# Altium PCB higgs.PcbDoc (part 3 of 25) (continued)
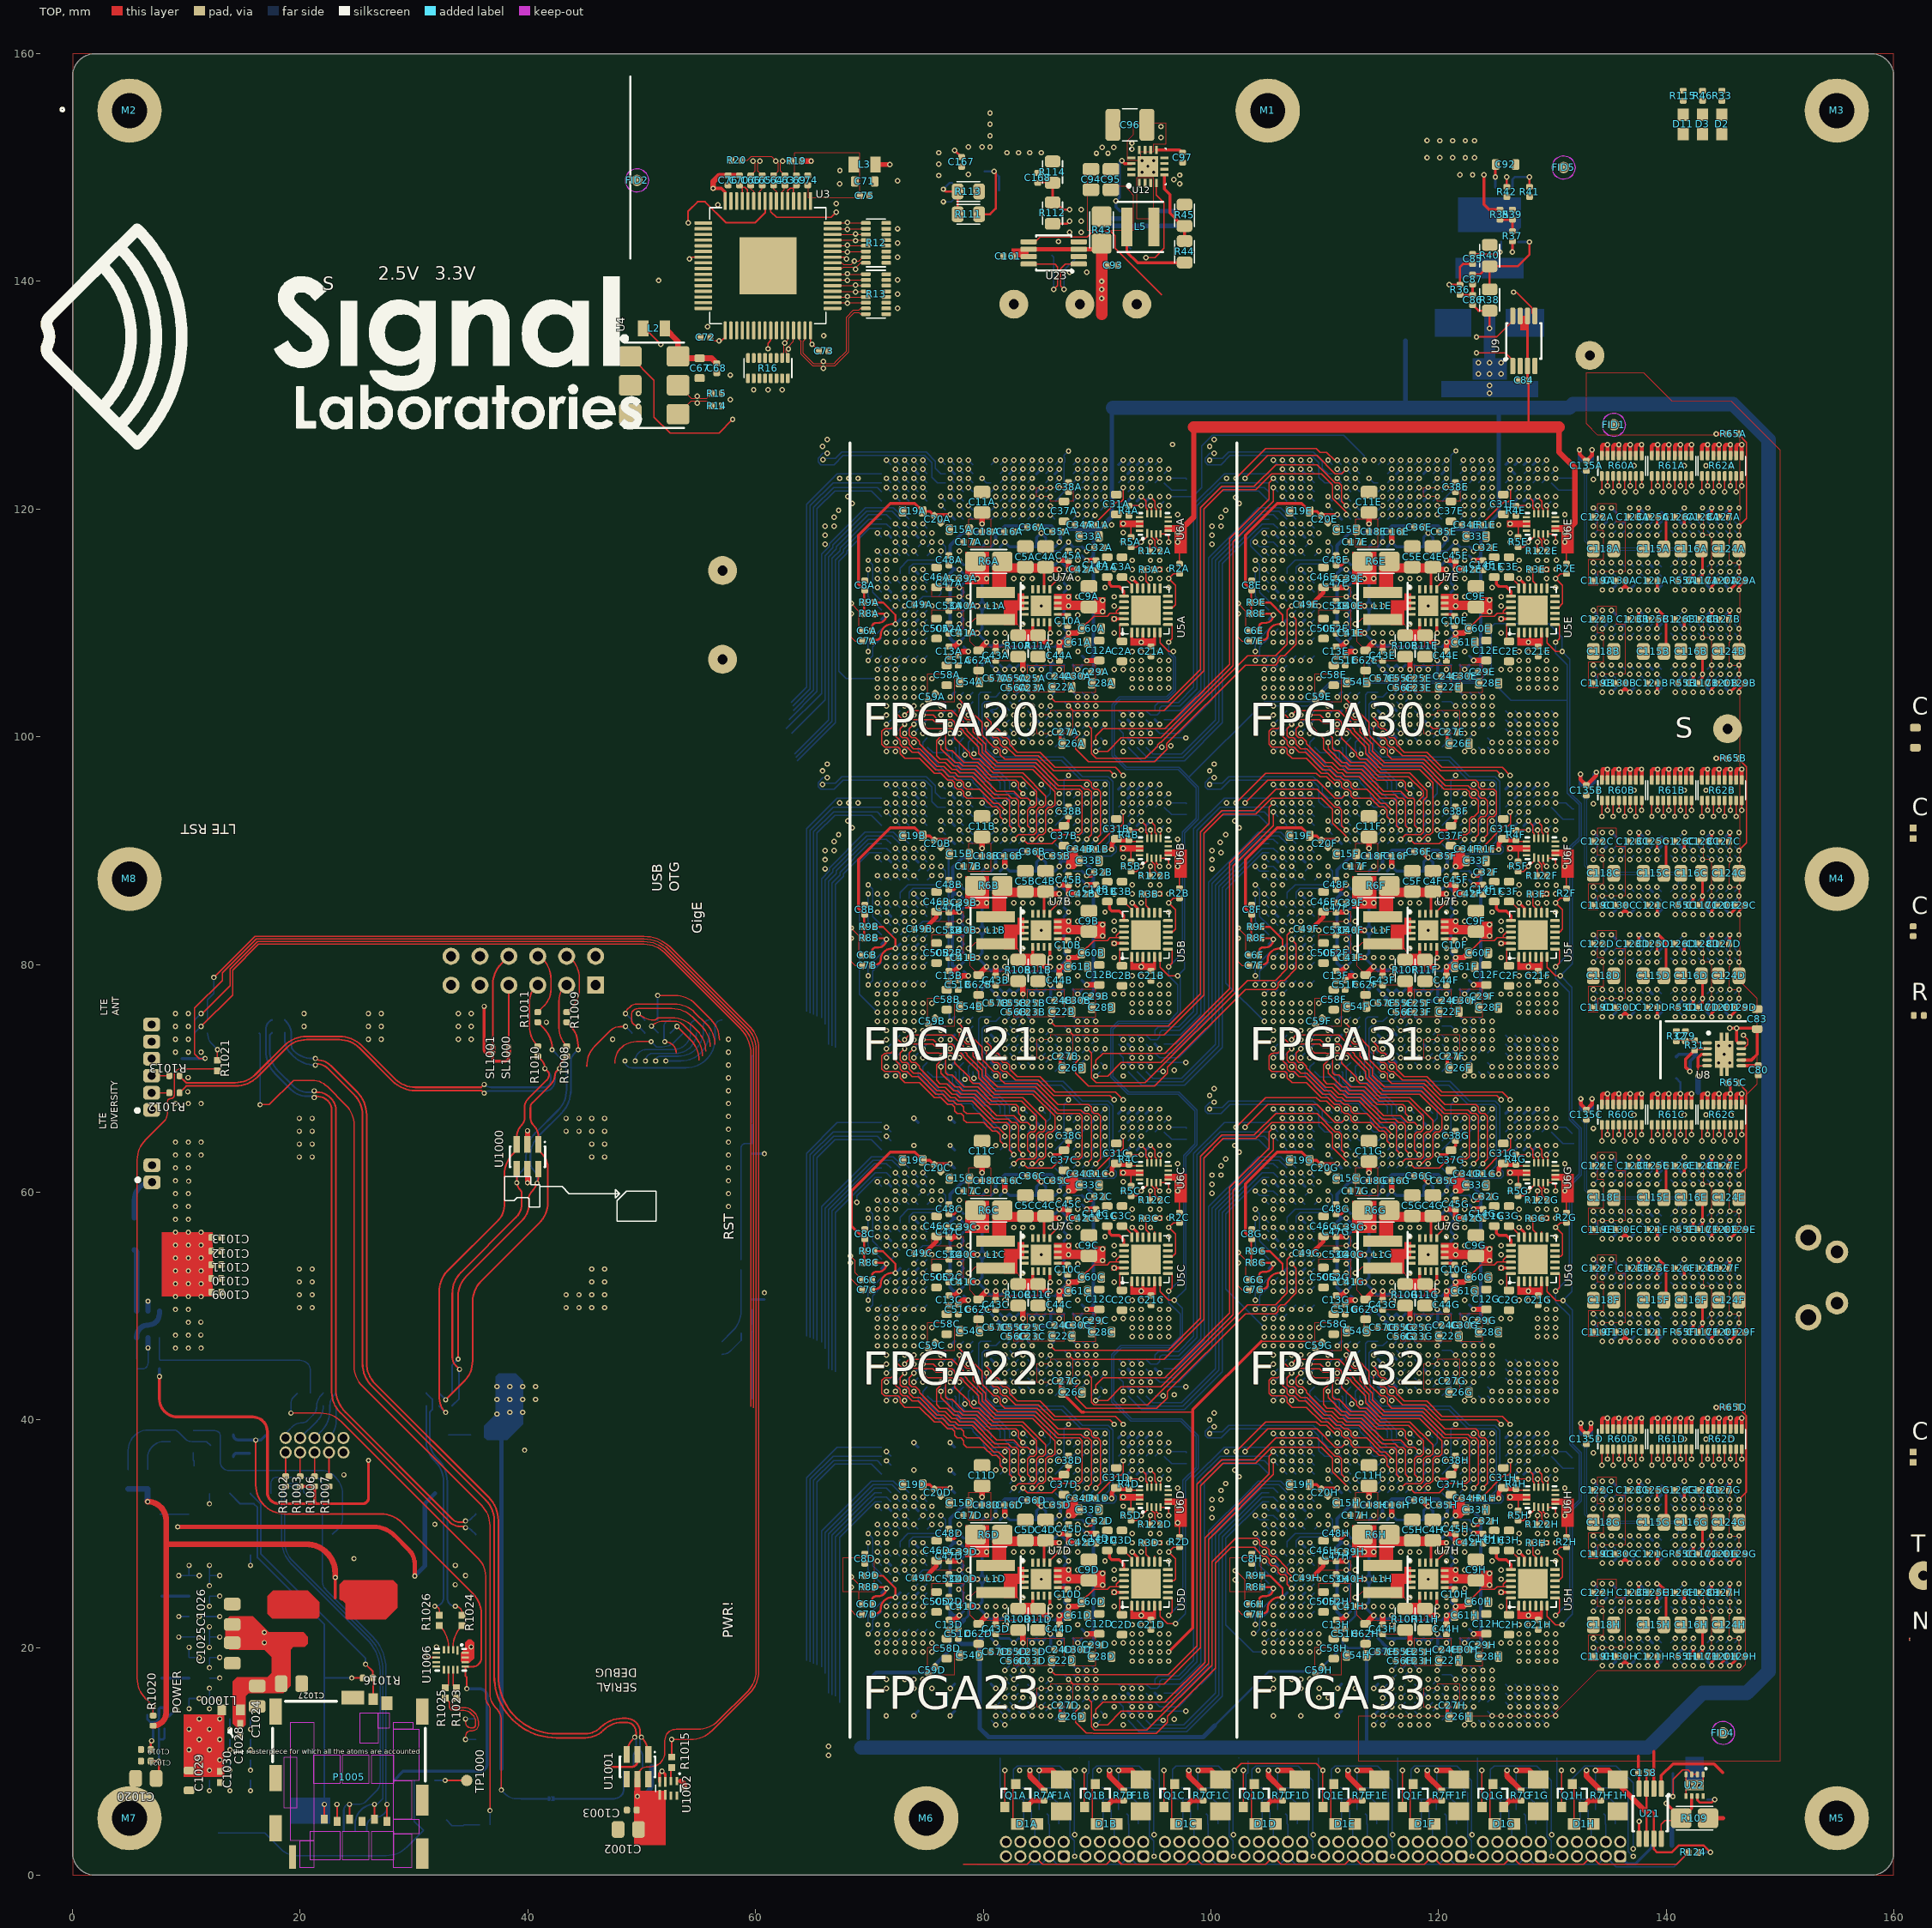
[diagram p0: TOP view]
## Components (designator, comment, footprint, x,y, rotation, side; value= is the part's Value field where it differs from the comment) (continued)
C32H "GCM155R71H104KE02" CAPC100X50X55L25N 124.2,31.1 r180 top value=100nF (schematic designator C32)
C33A "C1608X7R1A225M080" CAPC160X80X90L20N 89.3,117.6 r180 top value=2.2uF (schematic designator C33)
C33B "C1608X7R1A225M080" CAPC160X80X90L20N 89.3,89.1 r180 top value=2.2uF (schematic designator C33)
C33C "C1608X7R1A225M080" CAPC160X80X90L20N 89.3,60.6 r180 top value=2.2uF (schematic designator C33)
C33D "C1608X7R1A225M080" CAPC160X80X90L20N 89.3,32.1 r180 top value=2.2uF (schematic designator C33)
C33E "C1608X7R1A225M080" CAPC160X80X90L20N 123.3,117.6 r180 top value=2.2uF (schematic designator C33)
C33F "C1608X7R1A225M080" CAPC160X80X90L20N 123.3,89.1 r180 top value=2.2uF (schematic designator C33)
C33G "C1608X7R1A225M080" CAPC160X80X90L20N 123.3,60.6 r180 top value=2.2uF (schematic designator C33)
C33H "C1608X7R1A225M080" CAPC160X80X90L20N 123.3,32.1 r180 top value=2.2uF (schematic designator C33)
C34A "GCM155R71H104KE02" CAPC100X50X55L25N 88.5,118.6 r180 top value=100nF (schematic designator C34)
C34B "GCM155R71H104KE02" CAPC100X50X55L25N 88.5,90.1 r180 top value=100nF (schematic designator C34)
C34C "GCM155R71H104KE02" CAPC100X50X55L25N 88.5,61.6 r180 top value=100nF (schematic designator C34)
C34D "GCM155R71H104KE02" CAPC100X50X55L25N 88.5,33.1 r180 top value=100nF (schematic designator C34)
C34E "GCM155R71H104KE02" CAPC100X50X55L25N 122.5,118.6 r180 top value=100nF (schematic designator C34)
C34F "GCM155R71H104KE02" CAPC100X50X55L25N 122.5,90.1 r180 top value=100nF (schematic designator C34)
C34G "GCM155R71H104KE02" CAPC100X50X55L25N 122.5,61.6 r180 top value=100nF (schematic designator C34)
C34H "GCM155R71H104KE02" CAPC100X50X55L25N 122.5,33.1 r180 top value=100nF (schematic designator C34)
C35A "GCM155R71H104KE02" CAPC100X50X55L25N 86.5,118 r0 top value=100nF (schematic designator C35)
C35B "GCM155R71H104KE02" CAPC100X50X55L25N 86.5,89.5 r0 top value=100nF (schematic designator C35)
C35C "GCM155R71H104KE02" CAPC100X50X55L25N 86.5,61 r0 top value=100nF (schematic designator C35)
C35D "GCM155R71H104KE02" CAPC100X50X55L25N 86.5,32.5 r0 top value=100nF (schematic designator C35)
C35E "GCM155R71H104KE02" CAPC100X50X55L25N 120.5,118 r0 top value=100nF (schematic designator C35)
C35F "GCM155R71H104KE02" CAPC100X50X55L25N 120.5,89.5 r0 top value=100nF (schematic designator C35)
C35G "GCM155R71H104KE02" CAPC100X50X55L25N 120.5,61 r0 top value=100nF (schematic designator C35)
C35H "GCM155R71H104KE02" CAPC100X50X55L25N 120.5,32.5 r0 top value=100nF (schematic designator C35)
C36A "GCM155R71H104KE02" CAPC100X50X55L25N 84.3,118.4 r0 top value=100nF (schematic designator C36)
C36B "GCM155R71H104KE02" CAPC100X50X55L25N 84.3,89.9 r0 top value=100nF (schematic designator C36)
C36C "GCM155R71H104KE02" CAPC100X50X55L25N 84.3,61.4 r0 top value=100nF (schematic designator C36)
C36D "GCM155R71H104KE02" CAPC100X50X55L25N 84.3,32.9 r0 top value=100nF (schematic designator C36)
C36E "GCM155R71H104KE02" CAPC100X50X55L25N 118.3,118.4 r0 top value=100nF (schematic designator C36)
C36F "GCM155R71H104KE02" CAPC100X50X55L25N 118.3,89.9 r0 top value=100nF (schematic designator C36)
C36G "GCM155R71H104KE02" CAPC100X50X55L25N 118.3,61.4 r0 top value=100nF (schematic designator C36)
C36H "GCM155R71H104KE02" CAPC100X50X55L25N 118.3,32.9 r0 top value=100nF (schematic designator C36)
C37A "C1608X7R1A225M080" CAPC160X80X90L20N 87.1,119.8 r90 top value=2.2uF (schematic designator C37)
C37B "C1608X7R1A225M080" CAPC160X80X90L20N 87.1,91.3 r90 top value=2.2uF (schematic designator C37)
C37C "C1608X7R1A225M080" CAPC160X80X90L20N 87.1,62.8 r90 top value=2.2uF (schematic designator C37)
C37D "C1608X7R1A225M080" CAPC160X80X90L20N 87.1,34.3 r90 top value=2.2uF (schematic designator C37)
C37E "C1608X7R1A225M080" CAPC160X80X90L20N 121.1,119.8 r90 top value=2.2uF (schematic designator C37)
C37F "C1608X7R1A225M080" CAPC160X80X90L20N 121.1,91.3 r90 top value=2.2uF (schematic designator C37)
C37G "C1608X7R1A225M080" CAPC160X80X90L20N 121.1,62.8 r90 top value=2.2uF (schematic designator C37)
C37H "C1608X7R1A225M080" CAPC160X80X90L20N 121.1,34.3 r90 top value=2.2uF (schematic designator C37)
C38A "GCM155R71H104KE02" CAPC100X50X55L25N 87.5,121.93 r270 top value=100nF (schematic designator C38)
C38B "GCM155R71H104KE02" CAPC100X50X55L25N 87.5,93.43 r270 top value=100nF (schematic designator C38)
C38C "GCM155R71H104KE02" CAPC100X50X55L25N 87.5,64.93 r270 top value=100nF (schematic designator C38)
C38D "GCM155R71H104KE02" CAPC100X50X55L25N 87.5,36.43 r270 top value=100nF (schematic designator C38)
C38E "GCM155R71H104KE02" CAPC100X50X55L25N 121.5,121.93 r270 top value=100nF (schematic designator C38)
C38F "GCM155R71H104KE02" CAPC100X50X55L25N 121.5,93.43 r270 top value=100nF (schematic designator C38)
C38G "GCM155R71H104KE02" CAPC100X50X55L25N 121.5,64.93 r270 top value=100nF (schematic designator C38)
C38H "GCM155R71H104KE02" CAPC100X50X55L25N 121.5,36.43 r270 top value=100nF (schematic designator C38)
C39A "GCM155R71H104KE02" CAPC100X50X55L25N 78.3,113.9 r0 top value=100nF (schematic designator C39)
C39B "GCM155R71H104KE02" CAPC100X50X55L25N 78.3,85.4 r0 top value=100nF (schematic designator C39)
C39C "GCM155R71H104KE02" CAPC100X50X55L25N 78.3,56.9 r0 top value=100nF (schematic designator C39)
C39D "GCM155R71H104KE02" CAPC100X50X55L25N 78.3,28.4 r0 top value=100nF (schematic designator C39)
C39E "GCM155R71H104KE02" CAPC100X50X55L25N 112.3,113.9 r0 top value=100nF (schematic designator C39)
C39F "GCM155R71H104KE02" CAPC100X50X55L25N 112.3,85.4 r0 top value=100nF (schematic designator C39)
C39G "GCM155R71H104KE02" CAPC100X50X55L25N 112.3,56.9 r0 top value=100nF (schematic designator C39)
C39H "GCM155R71H104KE02" CAPC100X50X55L25N 112.3,28.4 r0 top value=100nF (schematic designator C39)
C40A "GCM155R71H104KE02" CAPC100X50X55L25N 78.3,111.5 r0 top value=100nF (schematic designator C40)
C40B "GCM155R71H104KE02" CAPC100X50X55L25N 78.3,83 r0 top value=100nF (schematic designator C40)
C40C "GCM155R71H104KE02" CAPC100X50X55L25N 78.3,54.5 r0 top value=100nF (schematic designator C40)
C40D "GCM155R71H104KE02" CAPC100X50X55L25N 78.3,26 r0 top value=100nF (schematic designator C40)
C40E "GCM155R71H104KE02" CAPC100X50X55L25N 112.3,111.5 r0 top value=100nF (schematic designator C40)
C40F "GCM155R71H104KE02" CAPC100X50X55L25N 112.3,83 r0 top value=100nF (schematic designator C40)
C40G "GCM155R71H104KE02" CAPC100X50X55L25N 112.3,54.5 r0 top value=100nF (schematic designator C40)
C40H "GCM155R71H104KE02" CAPC100X50X55L25N 112.3,26 r0 top value=100nF (schematic designator C40)
C41A "GCM155R71H104KE02" CAPC100X50X55L25N 78.3,109.1 r0 top value=100nF (schematic designator C41)
C41B "GCM155R71H104KE02" CAPC100X50X55L25N 78.3,80.6 r0 top value=100nF (schematic designator C41)
C41C "GCM155R71H104KE02" CAPC100X50X55L25N 78.3,52.1 r0 top value=100nF (schematic designator C41)
C41D "GCM155R71H104KE02" CAPC100X50X55L25N 78.3,23.6 r0 top value=100nF (schematic designator C41)
C41E "GCM155R71H104KE02" CAPC100X50X55L25N 112.3,109.1 r0 top value=100nF (schematic designator C41)
C41F "GCM155R71H104KE02" CAPC100X50X55L25N 112.3,80.6 r0 top value=100nF (schematic designator C41)
C41G "GCM155R71H104KE02" CAPC100X50X55L25N 112.3,52.1 r0 top value=100nF (schematic designator C41)
C41H "GCM155R71H104KE02" CAPC100X50X55L25N 112.3,23.6 r0 top value=100nF (schematic designator C41)
C42A "GCM155R71H104KE02" CAPC100X50X55L25N 88.7,114.7 r180 top value=100nF (schematic designator C42)
C42B "GCM155R71H104KE02" CAPC100X50X55L25N 88.7,86.2 r180 top value=100nF (schematic designator C42)
C42C "GCM155R71H104KE02" CAPC100X50X55L25N 88.7,57.7 r180 top value=100nF (schematic designator C42)
C42D "GCM155R71H104KE02" CAPC100X50X55L25N 88.7,29.2 r180 top value=100nF (schematic designator C42)
C42E "GCM155R71H104KE02" CAPC100X50X55L25N 122.7,114.7 r180 top value=100nF (schematic designator C42)
C42F "GCM155R71H104KE02" CAPC100X50X55L25N 122.7,86.2 r180 top value=100nF (schematic designator C42)
C42G "GCM155R71H104KE02" CAPC100X50X55L25N 122.7,57.7 r180 top value=100nF (schematic designator C42)
C42H "GCM155R71H104KE02" CAPC100X50X55L25N 122.7,29.2 r180 top value=100nF (schematic designator C42)
C43A "GCM155R71H104KE02" CAPC100X50X55L25N 81.1,107.1 r90 top value=100nF (schematic designator C43)
C43B "GCM155R71H104KE02" CAPC100X50X55L25N 81.1,78.6 r90 top value=100nF (schematic designator C43)
C43C "GCM155R71H104KE02" CAPC100X50X55L25N 81.1,50.1 r90 top value=100nF (schematic designator C43)
C43D "GCM155R71H104KE02" CAPC100X50X55L25N 81.1,21.6 r90 top value=100nF (schematic designator C43)
C43E "GCM155R71H104KE02" CAPC100X50X55L25N 115.1,107.1 r90 top value=100nF (schematic designator C43)
C43F "GCM155R71H104KE02" CAPC100X50X55L25N 115.1,78.6 r90 top value=100nF (schematic designator C43)
C43G "GCM155R71H104KE02" CAPC100X50X55L25N 115.1,50.1 r90 top value=100nF (schematic designator C43)
C43H "GCM155R71H104KE02" CAPC100X50X55L25N 115.1,21.6 r90 top value=100nF (schematic designator C43)
C44A "GCM155R71H104KE02" CAPC100X50X55L25N 86.7,107.1 r90 top value=100nF (schematic designator C44)
C44B "GCM155R71H104KE02" CAPC100X50X55L25N 86.7,78.6 r90 top value=100nF (schematic designator C44)
C44C "GCM155R71H104KE02" CAPC100X50X55L25N 86.7,50.1 r90 top value=100nF (schematic designator C44)
C44D "GCM155R71H104KE02" CAPC100X50X55L25N 86.7,21.6 r90 top value=100nF (schematic designator C44)
C44E "GCM155R71H104KE02" CAPC100X50X55L25N 120.7,107.1 r90 top value=100nF (schematic designator C44)
C44F "GCM155R71H104KE02" CAPC100X50X55L25N 120.7,78.6 r90 top value=100nF (schematic designator C44)
C44G "GCM155R71H104KE02" CAPC100X50X55L25N 120.7,50.1 r90 top value=100nF (schematic designator C44)
C44H "GCM155R71H104KE02" CAPC100X50X55L25N 120.7,21.6 r90 top value=100nF (schematic designator C44)
C45A "GCM155R71H104KE02" CAPC100X50X55L25N 87.5,115.9 r270 top value=100nF (schematic designator C45)
C45B "GCM155R71H104KE02" CAPC100X50X55L25N 87.5,87.4 r270 top value=100nF (schematic designator C45)
C45C "GCM155R71H104KE02" CAPC100X50X55L25N 87.5,58.9 r270 top value=100nF (schematic designator C45)
C45D "GCM155R71H104KE02" CAPC100X50X55L25N 87.5,30.4 r270 top value=100nF (schematic designator C45)
C45E "GCM155R71H104KE02" CAPC100X50X55L25N 121.5,115.9 r270 top value=100nF (schematic designator C45)
C45F "GCM155R71H104KE02" CAPC100X50X55L25N 121.5,87.4 r270 top value=100nF (schematic designator C45)
C45G "GCM155R71H104KE02" CAPC100X50X55L25N 121.5,58.9 r270 top value=100nF (schematic designator C45)
C45H "GCM155R71H104KE02" CAPC100X50X55L25N 121.5,30.4 r270 top value=100nF (schematic designator C45)
C46A "C1608X7R1A225M080" CAPC160X80X90L20N 75.9,114 r270 top value=2.2uF (schematic designator C46)
C46B "C1608X7R1A225M080" CAPC160X80X90L20N 75.9,85.5 r270 top value=2.2uF (schematic designator C46)
C46C "C1608X7R1A225M080" CAPC160X80X90L20N 75.9,57 r270 top value=2.2uF (schematic designator C46)
C46D "C1608X7R1A225M080" CAPC160X80X90L20N 75.9,28.5 r270 top value=2.2uF (schematic designator C46)
C46E "C1608X7R1A225M080" CAPC160X80X90L20N 109.9,114 r270 top value=2.2uF (schematic designator C46)
C46F "C1608X7R1A225M080" CAPC160X80X90L20N 109.9,85.5 r270 top value=2.2uF (schematic designator C46)
C46G "C1608X7R1A225M080" CAPC160X80X90L20N 109.9,57 r270 top value=2.2uF (schematic designator C46)
C46H "C1608X7R1A225M080" CAPC160X80X90L20N 109.9,28.5 r270 top value=2.2uF (schematic designator C46)
C47A "GCM155R71H104KE02" CAPC100X50X55L25N 77,113.5 r270 top value=100nF (schematic designator C47)
C47B "GCM155R71H104KE02" CAPC100X50X55L25N 77,85 r270 top value=100nF (schematic designator C47)
C47C "GCM155R71H104KE02" CAPC100X50X55L25N 77,56.5 r270 top value=100nF (schematic designator C47)
C47D "GCM155R71H104KE02" CAPC100X50X55L25N 77,28 r270 top value=100nF (schematic designator C47)
C47E "GCM155R71H104KE02" CAPC100X50X55L25N 111,113.5 r270 top value=100nF (schematic designator C47)
C47F "GCM155R71H104KE02" CAPC100X50X55L25N 111,85 r270 top value=100nF (schematic designator C47)
C47G "GCM155R71H104KE02" CAPC100X50X55L25N 111,56.5 r270 top value=100nF (schematic designator C47)
C47H "GCM155R71H104KE02" CAPC100X50X55L25N 111,28 r270 top value=100nF (schematic designator C47)
C48A "GCM155R71H104KE02" CAPC100X50X55L25N 77,115.5 r270 top value=100nF (schematic designator C48)
C48B "GCM155R71H104KE02" CAPC100X50X55L25N 77,87 r270 top value=100nF (schematic designator C48)
C48C "GCM155R71H104KE02" CAPC100X50X55L25N 77,58.5 r270 top value=100nF (schematic designator C48)
C48D "GCM155R71H104KE02" CAPC100X50X55L25N 77,30 r270 top value=100nF (schematic designator C48)
C48E "GCM155R71H104KE02" CAPC100X50X55L25N 111,115.5 r270 top value=100nF (schematic designator C48)
C48F "GCM155R71H104KE02" CAPC100X50X55L25N 111,87 r270 top value=100nF (schematic designator C48)
C48G "GCM155R71H104KE02" CAPC100X50X55L25N 111,58.5 r270 top value=100nF (schematic designator C48)
C48H "GCM155R71H104KE02" CAPC100X50X55L25N 111,30 r270 top value=100nF (schematic designator C48)
C49A "GCM155R71H104KE02" CAPC100X50X55L25N 74.4,111.6 r0 top value=100nF (schematic designator C49)
C49B "GCM155R71H104KE02" CAPC100X50X55L25N 74.4,83.1 r0 top value=100nF (schematic designator C49)
C49C "GCM155R71H104KE02" CAPC100X50X55L25N 74.4,54.6 r0 top value=100nF (schematic designator C49)
C49D "GCM155R71H104KE02" CAPC100X50X55L25N 74.4,26.1 r0 top value=100nF (schematic designator C49)
C49E "GCM155R71H104KE02" CAPC100X50X55L25N 108.4,111.6 r0 top value=100nF (schematic designator C49)
C49F "GCM155R71H104KE02" CAPC100X50X55L25N 108.4,83.1 r0 top value=100nF (schematic designator C49)
C49G "GCM155R71H104KE02" CAPC100X50X55L25N 108.4,54.6 r0 top value=100nF (schematic designator C49)
C49H "GCM155R71H104KE02" CAPC100X50X55L25N 108.4,26.1 r0 top value=100nF (schematic designator C49)
C50A "C1608X7R1A225M080" CAPC160X80X90L20N 75.9,109.5 r90 top value=2.2uF (schematic designator C50)
C50B "C1608X7R1A225M080" CAPC160X80X90L20N 75.9,81 r90 top value=2.2uF (schematic designator C50)
C50C "C1608X7R1A225M080" CAPC160X80X90L20N 75.9,52.5 r90 top value=2.2uF (schematic designator C50)
C50D "C1608X7R1A225M080" CAPC160X80X90L20N 75.9,24 r90 top value=2.2uF (schematic designator C50)
C50E "C1608X7R1A225M080" CAPC160X80X90L20N 109.9,109.5 r90 top value=2.2uF (schematic designator C50)
C50F "C1608X7R1A225M080" CAPC160X80X90L20N 109.9,81 r90 top value=2.2uF (schematic designator C50)
C50G "C1608X7R1A225M080" CAPC160X80X90L20N 109.9,52.5 r90 top value=2.2uF (schematic designator C50)
C50H "C1608X7R1A225M080" CAPC160X80X90L20N 109.9,24 r90 top value=2.2uF (schematic designator C50)
C51A "GCM155R71H104KE02" CAPC100X50X55L25N 77.8,106.7 r90 top value=100nF (schematic designator C51)
C51B "GCM155R71H104KE02" CAPC100X50X55L25N 77.8,78.2 r90 top value=100nF (schematic designator C51)
C51C "GCM155R71H104KE02" CAPC100X50X55L25N 77.8,49.7 r90 top value=100nF (schematic designator C51)
C51D "GCM155R71H104KE02" CAPC100X50X55L25N 77.8,21.2 r90 top value=100nF (schematic designator C51)
C51E "GCM155R71H104KE02" CAPC100X50X55L25N 111.8,106.7 r90 top value=100nF (schematic designator C51)
C51F "GCM155R71H104KE02" CAPC100X50X55L25N 111.8,78.2 r90 top value=100nF (schematic designator C51)
C51G "GCM155R71H104KE02" CAPC100X50X55L25N 111.8,49.7 r90 top value=100nF (schematic designator C51)
C51H "GCM155R71H104KE02" CAPC100X50X55L25N 111.8,21.2 r90 top value=100nF (schematic designator C51)
C52A "GCM155R71H104KE02" CAPC100X50X55L25N 77,109.5 r90 top value=100nF (schematic designator C52)
C52B "GCM155R71H104KE02" CAPC100X50X55L25N 77,81 r90 top value=100nF (schematic designator C52)
C52C "GCM155R71H104KE02" CAPC100X50X55L25N 77,52.5 r90 top value=100nF (schematic designator C52)
C52D "GCM155R71H104KE02" CAPC100X50X55L25N 77,24 r90 top value=100nF (schematic designator C52)
C52E "GCM155R71H104KE02" CAPC100X50X55L25N 111,109.5 r90 top value=100nF (schematic designator C52)
C52F "GCM155R71H104KE02" CAPC100X50X55L25N 111,81 r90 top value=100nF (schematic designator C52)
C52G "GCM155R71H104KE02" CAPC100X50X55L25N 111,52.5 r90 top value=100nF (schematic designator C52)
C52H "GCM155R71H104KE02" CAPC100X50X55L25N 111,24 r90 top value=100nF (schematic designator C52)
C53A "GCM155R71H104KE02" CAPC100X50X55L25N 77,111.5 r270 top value=100nF (schematic designator C53)
C53B "GCM155R71H104KE02" CAPC100X50X55L25N 77,83 r270 top value=100nF (schematic designator C53)
C53C "GCM155R71H104KE02" CAPC100X50X55L25N 77,54.5 r270 top value=100nF (schematic designator C53)
C53D "GCM155R71H104KE02" CAPC100X50X55L25N 77,26 r270 top value=100nF (schematic designator C53)
C53E "GCM155R71H104KE02" CAPC100X50X55L25N 111,111.5 r270 top value=100nF (schematic designator C53)
C53F "GCM155R71H104KE02" CAPC100X50X55L25N 111,83 r270 top value=100nF (schematic designator C53)
C53G "GCM155R71H104KE02" CAPC100X50X55L25N 111,54.5 r270 top value=100nF (schematic designator C53)
C53H "GCM155R71H104KE02" CAPC100X50X55L25N 111,26 r270 top value=100nF (schematic designator C53)
C54A "C1608X7R1A225M080" CAPC160X80X90L20N 78.8,104.8 r0 top value=2.2uF (schematic designator C54)
C54B "C1608X7R1A225M080" CAPC160X80X90L20N 78.8,76.3 r0 top value=2.2uF (schematic designator C54)
C54C "C1608X7R1A225M080" CAPC160X80X90L20N 78.8,47.8 r0 top value=2.2uF (schematic designator C54)
C54D "C1608X7R1A225M080" CAPC160X80X90L20N 78.8,19.3 r0 top value=2.2uF (schematic designator C54)
C54E "C1608X7R1A225M080" CAPC160X80X90L20N 112.8,104.8 r0 top value=2.2uF (schematic designator C54)
C54F "C1608X7R1A225M080" CAPC160X80X90L20N 112.8,76.3 r0 top value=2.2uF (schematic designator C54)
C54G "C1608X7R1A225M080" CAPC160X80X90L20N 112.8,47.8 r0 top value=2.2uF (schematic designator C54)
C54H "C1608X7R1A225M080" CAPC160X80X90L20N 112.8,19.3 r0 top value=2.2uF (schematic designator C54)
C55A "GCM155R71H104KE02" CAPC100X50X55L25N 82.7,105.1 r0 top value=100nF (schematic designator C55)
C55B "GCM155R71H104KE02" CAPC100X50X55L25N 82.7,76.6 r0 top value=100nF (schematic designator C55)
C55C "GCM155R71H104KE02" CAPC100X50X55L25N 82.7,48.1 r0 top value=100nF (schematic designator C55)
C55D "GCM155R71H104KE02" CAPC100X50X55L25N 82.7,19.6 r0 top value=100nF (schematic designator C55)
C55E "GCM155R71H104KE02" CAPC100X50X55L25N 116.7,105.1 r0 top value=100nF (schematic designator C55)
C55F "GCM155R71H104KE02" CAPC100X50X55L25N 116.7,76.6 r0 top value=100nF (schematic designator C55)
C55G "GCM155R71H104KE02" CAPC100X50X55L25N 116.7,48.1 r0 top value=100nF (schematic designator C55)
C55H "GCM155R71H104KE02" CAPC100X50X55L25N 116.7,19.6 r0 top value=100nF (schematic designator C55)
C56A "GCM155R71H104KE02" CAPC100X50X55L25N 82.7,104.3 r0 top value=100nF (schematic designator C56)
C56B "GCM155R71H104KE02" CAPC100X50X55L25N 82.7,75.8 r0 top value=100nF (schematic designator C56)
C56C "GCM155R71H104KE02" CAPC100X50X55L25N 82.7,47.3 r0 top value=100nF (schematic designator C56)
C56D "GCM155R71H104KE02" CAPC100X50X55L25N 82.7,18.8 r0 top value=100nF (schematic designator C56)
C56E "GCM155R71H104KE02" CAPC100X50X55L25N 116.7,104.3 r0 top value=100nF (schematic designator C56)
C56F "GCM155R71H104KE02" CAPC100X50X55L25N 116.7,75.8 r0 top value=100nF (schematic designator C56)
C56G "GCM155R71H104KE02" CAPC100X50X55L25N 116.7,47.3 r0 top value=100nF (schematic designator C56)
C56H "GCM155R71H104KE02" CAPC100X50X55L25N 116.7,18.8 r0 top value=100nF (schematic designator C56)
C57A "GCM155R71H104KE02" CAPC100X50X55L25N 81.1,105.1 r180 top value=100nF (schematic designator C57)
C57B "GCM155R71H104KE02" CAPC100X50X55L25N 81.1,76.6 r180 top value=100nF (schematic designator C57)
C57C "GCM155R71H104KE02" CAPC100X50X55L25N 81.1,48.1 r180 top value=100nF (schematic designator C57)
C57D "GCM155R71H104KE02" CAPC100X50X55L25N 81.1,19.6 r180 top value=100nF (schematic designator C57)
C57E "GCM155R71H104KE02" CAPC100X50X55L25N 115.1,105.1 r180 top value=100nF (schematic designator C57)
C57F "GCM155R71H104KE02" CAPC100X50X55L25N 115.1,76.6 r180 top value=100nF (schematic designator C57)
C57G "GCM155R71H104KE02" CAPC100X50X55L25N 115.1,48.1 r180 top value=100nF (schematic designator C57)
C57H "GCM155R71H104KE02" CAPC100X50X55L25N 115.1,19.6 r180 top value=100nF (schematic designator C57)
C58A "C1608X7R1A225M080" CAPC160X80X90L20N 76.8,105.4 r270 top value=2.2uF (schematic designator C58)
C58B "C1608X7R1A225M080" CAPC160X80X90L20N 76.8,76.9 r270 top value=2.2uF (schematic designator C58)
C58C "C1608X7R1A225M080" CAPC160X80X90L20N 76.8,48.4 r270 top value=2.2uF (schematic designator C58)
C58D "C1608X7R1A225M080" CAPC160X80X90L20N 76.8,19.9 r270 top value=2.2uF (schematic designator C58)
C58E "C1608X7R1A225M080" CAPC160X80X90L20N 110.8,105.4 r270 top value=2.2uF (schematic designator C58)
C58F "C1608X7R1A225M080" CAPC160X80X90L20N 110.8,76.9 r270 top value=2.2uF (schematic designator C58)
C58G "C1608X7R1A225M080" CAPC160X80X90L20N 110.8,48.4 r270 top value=2.2uF (schematic designator C58)
C58H "C1608X7R1A225M080" CAPC160X80X90L20N 110.8,19.9 r270 top value=2.2uF (schematic designator C58)
C59A "GCM155R71H104KE02" CAPC100X50X55L25N 75.5,103.5 r45 top value=100nF (schematic designator C59)
C59B "GCM155R71H104KE02" CAPC100X50X55L25N 75.5,75 r45 top value=100nF (schematic designator C59)
C59C "GCM155R71H104KE02" CAPC100X50X55L25N 75.5,46.5 r45 top value=100nF (schematic designator C59)
C59D "GCM155R71H104KE02" CAPC100X50X55L25N 75.5,18 r45 top value=100nF (schematic designator C59)
C59E "GCM155R71H104KE02" CAPC100X50X55L25N 109.5,103.5 r45 top value=100nF (schematic designator C59)
C59F "GCM155R71H104KE02" CAPC100X50X55L25N 109.5,75 r45 top value=100nF (schematic designator C59)
C59G "GCM155R71H104KE02" CAPC100X50X55L25N 109.5,46.5 r45 top value=100nF (schematic designator C59)
C59H "GCM155R71H104KE02" CAPC100X50X55L25N 109.5,18 r45 top value=100nF (schematic designator C59)
C60A "C1608X7R1A225M080" CAPC160X80X90L20N 89.5,109.5 r180 top value=2.2uF (schematic designator C60)
C60B "C1608X7R1A225M080" CAPC160X80X90L20N 89.5,81 r180 top value=2.2uF (schematic designator C60)
C60C "C1608X7R1A225M080" CAPC160X80X90L20N 89.5,52.5 r180 top value=2.2uF (schematic designator C60)
C60D "C1608X7R1A225M080" CAPC160X80X90L20N 89.5,24 r180 top value=2.2uF (schematic designator C60)
C60E "C1608X7R1A225M080" CAPC160X80X90L20N 123.5,109.5 r180 top value=2.2uF (schematic designator C60)
C60F "C1608X7R1A225M080" CAPC160X80X90L20N 123.5,81 r180 top value=2.2uF (schematic designator C60)
C60G "C1608X7R1A225M080" CAPC160X80X90L20N 123.5,52.5 r180 top value=2.2uF (schematic designator C60)
C60H "C1608X7R1A225M080" CAPC160X80X90L20N 123.5,24 r180 top value=2.2uF (schematic designator C60)
C61A "C1608X7R1A225M080" CAPC160X80X90L20N 88.3,108.3 r180 top value=2.2uF (schematic designator C61)
C61B "C1608X7R1A225M080" CAPC160X80X90L20N 88.3,79.8 r180 top value=2.2uF (schematic designator C61)
C61C "C1608X7R1A225M080" CAPC160X80X90L20N 88.3,51.3 r180 top value=2.2uF (schematic designator C61)
C61D "C1608X7R1A225M080" CAPC160X80X90L20N 88.3,22.8 r180 top value=2.2uF (schematic designator C61)
C61E "C1608X7R1A225M080" CAPC160X80X90L20N 122.3,108.3 r180 top value=2.2uF (schematic designator C61)
C61F "C1608X7R1A225M080" CAPC160X80X90L20N 122.3,79.8 r180 top value=2.2uF (schematic designator C61)
C61G "C1608X7R1A225M080" CAPC160X80X90L20N 122.3,51.3 r180 top value=2.2uF (schematic designator C61)
C61H "C1608X7R1A225M080" CAPC160X80X90L20N 122.3,22.8 r180 top value=2.2uF (schematic designator C61)
C62A "C1608X7R1A225M080" CAPC160X80X90L20N 79.6,106.7 r90 top value=2.2uF (schematic designator C62)
C62B "C1608X7R1A225M080" CAPC160X80X90L20N 79.6,78.2 r90 top value=2.2uF (schematic designator C62)
C62C "C1608X7R1A225M080" CAPC160X80X90L20N 79.6,49.7 r90 top value=2.2uF (schematic designator C62)
C62D "C1608X7R1A225M080" CAPC160X80X90L20N 79.6,21.2 r90 top value=2.2uF (schematic designator C62)
C62E "C1608X7R1A225M080" CAPC160X80X90L20N 113.6,106.7 r90 top value=2.2uF (schematic designator C62)
C62F "C1608X7R1A225M080" CAPC160X80X90L20N 113.6,78.2 r90 top value=2.2uF (schematic designator C62)
C62G "C1608X7R1A225M080" CAPC160X80X90L20N 113.6,49.7 r90 top value=2.2uF (schematic designator C62)
C62H "C1608X7R1A225M080" CAPC160X80X90L20N 113.6,21.2 r90 top value=2.2uF (schematic designator C62)
C63 "GCM155R71H104KE02" CAPC100X50X55L25N 62.59,148.876 r90 top value=100nF
C64 "GCM155R71H104KE02" CAPC100X50X55L25N 61.59,148.876 r90 top value=100nF
C65 "GCM155R71H104KE02" CAPC100X50X55L25N 60.59,148.876 r90 top value=100nF
C66 "GCM155R71H104KE02" CAPC100X50X55L25N 59.59,148.876 r90 top value=100nF
C67 "C1608X7R1A225M080" CAPC160X80X90L20N 55.09,132.376 r90 top value=2.2uF
C68 "GCM155R71H104KE02" CAPC100X50X55L25N 56.59,132.376 r90 top value=100nF
C69 "GRM155R71H103KA88" CAPC100X50X55L25N 63.59,148.876 r270 top value=10nF
C70 "GRM155R71H103KA88" CAPC100X50X55L25N 58.59,148.876 r270 top value=10nF
C71 "C1608X7R1A225M080" CAPC160X80X90L20N 69.59,148.776 r180 top value=2.2uF
C72 "GCM155R71H104KE02" CAPC100X50X55L25N 55.59,135.076 r0 top value=100nF
C73 "GCM155R71H104KE02" CAPC100X50X55L25N 65.99,133.876 r180 top value=100nF
C74 "GCM155R71H104KE02" CAPC100X50X55L25N 64.59,148.876 r90 top value=100nF
C75 "GRM155R71H103KA88" CAPC100X50X55L25N 69.59,147.526 r0 top value=10nF
C76 "GRM155R71H103KA88" CAPC100X50X55L25N 57.59,148.876 r270 top value=10nF
C77 "GRM21BC81E106KE51" CAPC200X125X145L45N 142.7,73 r270 bottom value=10uF
C78 "GRM21BC81E106KE51" CAPC200X125X145L45N 140,71.9 r0 bottom value=10uF
C79 "GRM155R71H102KA01" CAPC100X50X55L25N 141.7,73.7 r90 top value=1nF
C80 "GCM155R71H104KE02" CAPC100X50X55L25N 148.1,70.7 r90 top value=100nF
C81 "GRM21BC81E106KE51" CAPC200X125X145L45N 146.6,70 r180 bottom value=10uF
C82 "GRM21BC81E106KE51" CAPC200X125X145L45N 140,70 r0 bottom value=10uF
C83 "GRM188R61E475KE11" CAPC160X80X90L20N 148,75.2 r270 top value=4.7uF
C84 "GCM155R71H104KE02" CAPC100X50X55L25N 127.5,131.3 r0 top value=100nF
C85 "GCM155R71H104KE02" CAPC100X50X55L25N 123,141.965 r90 top value=100nF
C86 "GCM155R71H104KE02" CAPC100X50X55L25N 123,138.365 r90 top value=100nF
C87 "GRM155R71H102KA01" CAPC100X50X55L25N 123,140.165 r90 top value=1nF
C88 "GRM32ER71E226KE15" CAPC320X250X270L50N 125.5,151.165 r180 bottom value=22uF
C89 "GRM32ER71E226KE15" CAPC320X250X270L50N 119.6,147.7 r90 bottom value=22uF
C90 "C3225X6S0J107M250" CAPC320X250X280L50N 127.5,133.565 r270 bottom value=100uF
C91 "C3225X6S0J107M250" CAPC320X250X280L50N 121.5,133.565 r270 bottom value=100uF
C92 "C1608X7R1A225M080" CAPC160X80X90L20N 125.9,150.265 r180 top value=2.2uF
C93 "GCM155R71H104KE02" CAPC100X50X55L25N 91.4,141.4 r180 top value=100nF
C94 "C2012X7S1A226M125" CAPC200X125X145L45N 89.475,148.95 r270 top value=22uF
C95 "C2012X7S1A226M125" CAPC200X125X145L45N 91.225,148.95 r270 top value=22uF
C96 "GRM32ER71E226KE15" CAPC320X250X270L50N 92.9,153.75 r0 top value=22uF
C97 "GRM155R71H103KA88" CAPC100X50X55L25N 97.518,150.864 r270 top value=10nF
C98A "GRM155R71C104KA88J" CAPC100X50X55L25N 1115.687,1160.705 r0 top value=100nF (schematic designator C98)
C98B "GRM155R71C104KA88J" CAPC100X50X55L25N 246.299,82.917 r90 top value=100nF (schematic designator C98)
C99A "GRM155R71C104KA88J" CAPC100X50X55L25N 1115.687,1160.705 r0 top value=100nF (schematic designator C99)
C99B "GRM155R71C104KA88J" CAPC100X50X55L25N 253.699,82.917 r90 top value=100nF (schematic designator C99)
C101A "GRM155R71C104KA88J" CAPC100X50X55L25N 1115.687,1160.705 r0 top value=100nF (schematic designator C101)
C101B "GRM155R71C104KA88J" CAPC100X50X55L25N 215.099,82.917 r90 top value=100nF (schematic designator C101)
C102A "GRM155R71C104KA88J" CAPC100X50X55L25N 1115.687,1160.705 r0 top value=100nF (schematic designator C102)
C102B "GRM155R71C104KA88J" CAPC100X50X55L25N 223.499,82.917 r90 top value=100nF (schematic designator C102)
C103A "GQM1885C1H150JB01D" CAPC160X80X90L20N 1115.687,1160.705 r0 top value=15pF (schematic designator C103)
C103B "GQM1885C1H150JB01D" CAPC160X80X90L20N 187.799,82.417 r90 top value=15pF (schematic designator C103)
C104A "#NAME?" CAPC100X50X55L25N 1115.687,1160.705 r0 top value=2.4pF (schematic designator C104)
C104B "#NAME?" CAPC100X50X55L25N 161.699,82.917 r90 top value=2.4pF (schematic designator C104)
C105A "#NAME?" CAPC100X50X55L25N 1115.687,1160.705 r0 top value=2.4pF (schematic designator C105)
C105B "#NAME?" CAPC100X50X55L25N 170.299,82.917 r90 top value=2.4pF (schematic designator C105)
C106A "#NAME?" CAPC100X50X55L25N 1115.687,1160.705 r0 top value=1.5pF (schematic designator C106)
C106B "#NAME?" CAPC100X50X55L25N 178.999,82.917 r90 top value=1.5pF (schematic designator C106)
C107A "GRM155R71C104KA88J" CAPC100X50X55L25N 1115.687,1160.705 r0 top value=100nF (schematic designator C107)
C107B "GRM155R71C104KA88J" CAPC100X50X55L25N 201.899,91.617 r90 top value=100nF (schematic designator C107)